# KiCad board 8851_HW-U1-VCU118_REV2-0_071417.kicad_pcb (continued)
## Routing (per net, layer and track width the routed paths; a pad name or vN(x,y) marks a point on that pad's centre or on a via; arc(x,y) is an arc through that point) (continued)
  BOTTOM w0.15: v3(204.11,150.93) 204.75,150.29 206.48,150.29
65N145: length 23.6
  TOP w0.138: 218.88,162.93 218.15,162.21 v3(218.15,161.9)
  03_SIG1 w0.17: v3(218.15,161.9) 218.15,160.06 218.51,159.7 218.51,154.93 217.46,153.88 213.18,153.88 212.43,153.13 212.4,153.09 212.4,152.61 211.95,152.16 211.56,152.16 211.51,152.11 211.07,151.67 211.07,151.43 210.44,150.8 210.34,150.8 v3(207.91,148.37)
  BOTTOM w0.15: 206.48,148.37 v3(207.91,148.37)
65N146: length 33.7
  TOP w0.15: v3(220.5,161.3) 220.05,161.75 220.05,162.33 220.65,162.93
  20_SIG7 w0.087: v3(220.5,161.3) 220.88,161.3 221.78,160.4 221.78,159.18 222.7,158.25 222.7,157.23 218.66,153.18 218.66,151.72 215.91,148.97 212.86,148.97 211.58,150.25 204.36,150.25 v3(204.03,149.92)
  BOTTOM w0.15: v3(204.03,149.92) 204.94,149.01 206.48,149.01
65N147: length 28.7
  TOP w0.138: 222.35,162.93 221.65,162.23 v3(221.65,161.28)
  20_SIG7 w0.087: v3(207.95,149.65) 211.41,149.65 212.63,148.42 216.14,148.42 219.33,151.62 219.33,152.68 223.35,156.7 223.35,158.57 222.45,159.48 222.45,160.48 v3(221.65,161.28)
  BOTTOM w0.15: v3(207.95,149.65) 206.48,149.65
65N152: length 2.4
  TOP w0.138: 217.25,164.4 v3(217.25,165.28)
  BOTTOM w0.15: 217.25,163.78 v3(217.25,165.28)
65N154: length 2.4
  TOP w0.138: 215.63,164.4 v3(215.63,165.28)
  BOTTOM w0.15: 215.63,163.78 v3(215.63,165.28)
65N158: length 2
  TOP w0.138: 211.88,164.4 v3(211.88,165.28)
  BOTTOM w0.15: 211.88,164.15 v3(211.88,165.28)
65N160: length 2
  BOTTOM w0.15: 200.74,145.17 199.66,145.17 199.43,144.94 R323.2
65N163: length 24.4
  TOP w0.138: v3(212.05,162.13) 211.88,162.31 211.88,162.92
  03_SIG1 w0.17: v3(204.11,147.09) 203.88,147.09 202.93,148.03 202.93,148.9 203.43,149.4 203.43,151.24 204.05,151.86 205.35,151.86 205.97,152.48 205.97,153.03 206.6,153.65 206.85,153.65 208.78,155.58 208.78,156.26 209.12,156.61 209.99,156.61 211.12,157.73 211.12,158.9 211.51,159.29 211.51,161.59 v3(212.05,162.13)
  BOTTOM w0.15: v3(204.11,147.09) 204.75,146.45 206.48,146.45
65N166: length 28.8
  TOP w0.15: v3(214.77,162.03) 214.77,162.65 215.04,162.92 215.63,162.92
  03_SIG1 w0.17: v3(214.77,162.03) 215.29,162.54 216.63,162.54 216.9,162.28 216.9,161.32 217.58,160.64 217.58,158.75 217.32,158.49 217.32,158.03 217.85,157.5 217.85,155.67 217.38,155.21 214.57,155.21 213.85,154.49 212.5,154.49 211.67,153.65 211.03,153.65 209.97,152.6 209.97,151.84 208.37,150.23 207.75,150.23 207.36,149.84 207.36,147.91 v3(207.87,147.4)
  BOTTOM w0.15: v3(207.87,147.4) 207.56,147.09 206.48,147.09
65N167: length 25.6
  TOP w0.15: 217.25,162.92 216.31,161.98 v3(216.25,161.98)
  03_SIG1 w0.17: v3(203.5,148.27) 207.29,152.06 207.64,152.06 208,152.41 208,152.88 210.63,155.51 210.63,156.21 210.95,156.53 214.01,156.53 215.09,157.61 215.09,158.26 216.25,159.43 v3(216.25,161.98)
  BOTTOM w0.15: 206.48,147.73 204.75,147.73 204.33,148.15 203.62,148.15 v3(203.5,148.27)
65N1694: length 2.1
  TOP w0.15: 222.13,160.45 v3(223.15,160.45)
  BOTTOM w0.15: v3(223.15,160.45) 222.9,160.2 222.13,160.2
65N1695: length 24.9
  TOP w0.138: 222.13,158.97 v3(222.13,158.08)
  20_SIG7 w0.087: v3(205.23,150.93) 205.37,150.79 211.81,150.79 213.08,149.51 215.69,149.51 216.78,150.61 216.78,153.16 217.49,153.87 218.27,153.87 222.13,157.73 v3(222.13,158.08)
  BOTTOM w0.15: 206.48,150.93 v3(205.23,150.93)
65N4344: length 2.3
  TOP w0.15: 204.37,146.18 204.87,146.18 v3(205.23,145.81)
  BOTTOM w0.15: 206.48,145.81 v3(205.23,145.81)
65N4702: length 1.9
  TOP w0.15: 213.7,162.9 v3(213.7,162.1)
  BOTTOM w0.15: v3(213.7,162.1) 213.75,162.15 213.75,163.17
65N4703: length 16.2
  TOP w0.138: 213.7,164.37 v3(213.7,165.34)
  05_SIG2 w0.17: v3(203.67,161.52) 204.63,162.48 205.92,162.48 207.27,163.83 212.19,163.83 v3(213.7,165.34)
  BOTTOM w0.15: 202.25,162.27 202.25,161.77 202.5,161.52 v3(203.67,161.52)
  BOTTOM w0.375: 200.09,163.21 200.21,163.21 200.84,163.84 v3(201.45,163.84)
65N4960: length 2
  TOP w0.15: 205.38,160.9 v3(205.38,161.78)
  BOTTOM w0.15: 205.38,160.65 v3(205.38,161.78)
65N4961: length 5.7
  TOP w0.15: v3(203.12,157.55) 203.75,158.18 204.12,158.18 205.38,159.43
  TOP w0.375: v3(200.97,158.78) 200.24,158.04 199.75,158.04
  BOTTOM w0.15: 201.96,157.55 v3(203.12,157.55)
67N1169: length 0.9
  TOP w0.15: J2.J24 v3(145.4,165.75)
67N1172: length 0.9
  TOP w0.15: J2.J25 v3(144.15,165.75)
67N1175: length 0.9
  TOP w0.15: J2.J27 v3(141.65,165.75)
67N1178: length 0.9
  TOP w0.15: J2.J28 v3(140.4,165.75)
67N1181: length 0.9
  TOP w0.15: J2.J30 v3(137.9,165.75)
67N1184: length 0.9
  TOP w0.15: J2.J31 v3(136.65,165.75)
67N1187: length 0.9
  TOP w0.15: J2.J33 v3(134.15,165.75)
67N1189: length 0.9
  TOP w0.15: J2.J34 v3(132.9,165.75)
67N1193: length 0.9
  TOP w0.15: J2.J36 v3(130.4,165.75)
67N1195: length 0.9
  TOP w0.15: J2.J37 v3(129.15,165.75)
67N1199: length 0.9
  TOP w0.15: J2.J39 v3(126.65,165.75)
67N1202: length 0.9
  TOP w0.15: J2.K25 v3(144.15,167)
67N1205: length 0.9
  TOP w0.15: J2.K26 v3(142.9,167)
67N1208: length 0.9
  TOP w0.15: J2.K28 v3(140.4,167)
67N1211: length 0.9
  TOP w0.15: J2.K29 v3(139.15,167)
67N1214: length 0.9
  TOP w0.15: J2.K31 v3(136.65,167)
67N1217: length 0.9
  TOP w0.15: J2.K32 v3(135.4,167)
67N1220: length 0.9
  TOP w0.15: J2.K34 v3(132.9,167)
67N1223: length 0.9
  TOP w0.15: J2.K35 v3(131.65,167)
67N1226: length 0.9
  TOP w0.15: J2.K37 v3(129.15,167)
67N1229: length 0.9
  TOP w0.15: J2.K38 v3(127.9,167)
67N1232: length 0.9
  TOP w0.15: J2.K40 v3(125.4,167)
67N1235: length 0.9
  TOP w0.15: J2.K1 v3(174.15,167)
67N1238: length 0.9
  TOP w0.15: J2.K4 v3(170.4,167)
67N1241: length 0.9
  TOP w0.15: J2.K5 v3(169.15,167)
67N1244: length 0.9
  TOP w0.15: J2.J2 v3(172.9,165.75)
67N1247: length 0.9
  TOP w0.15: J2.J3 v3(171.65,165.75)
67N1644: length 0.9
  TOP w0.15: v3(151.65,167) J2.K19
67N1646: length 0.9
  TOP w0.15: J2.K20 v3(150.4,167)
67N1648: length 0.9
  TOP w0.15: J2.K22 v3(147.9,167)
67N1650: length 0.9
  TOP w0.15: J2.K23 v3(146.65,167)
67N1656: length 0.9
  TOP w0.15: J2.K13 v3(159.15,167)
67N1658: length 0.9
  TOP w0.15: J2.K14 v3(157.9,167)
67N1660: length 0.9
  TOP w0.15: J2.K16 v3(155.4,167)
67N1662: length 0.9
  TOP w0.15: J2.K17 v3(154.15,167)
67N1668: length 0.9
  TOP w0.15: J2.K7 v3(166.65,167)
67N1670: length 0.9
  TOP w0.15: J2.K8 v3(165.4,167)
67N1672: length 0.9
  TOP w0.15: J2.K10 v3(162.9,167)
67N1674: length 0.9
  TOP w0.15: J2.K11 v3(161.65,167)
67N1680: length 0.9
  TOP w0.15: J2.J18 v3(152.9,165.75)
67N1682: length 0.9
  TOP w0.15: v3(151.65,165.75) J2.J19
67N1684: length 0.9
  TOP w0.15: J2.J21 v3(149.15,165.75)
67N1686: length 0.9
  TOP w0.15: J2.J22 v3(147.9,165.75)
67N1692: length 0.9
  TOP w0.15: J2.J12 v3(160.4,165.75)
67N1694: length 0.9
  TOP w0.15: J2.J13 v3(159.15,165.75)
67N1696: length 0.9
  TOP w0.15: J2.J15 v3(156.65,165.75)
67N1698: length 0.9
  TOP w0.15: J2.J16 v3(155.4,165.75)
67N1704: length 0.9
  TOP w0.15: J2.J6 v3(167.9,165.75)
67N1706: length 0.9
  TOP w0.15: J2.J7 v3(166.65,165.75)
67N1708: length 0.9
  TOP w0.15: J2.J9 v3(164.15,165.75)
67N1710: length 0.9
  TOP w0.15: J2.J10 v3(162.9,165.75)
68N293: length 12.9
  BOTTOM w0.375: v3(178.62,160.94) 179.2,160.94 179.57,160.56 C1108.1 179.57,158.83 179.95,158.46 v3(180.45,158.46) ; R892.1 v3(177.05,166.86) ; 181.44,159.76 181.44,161.59 181.4,161.63 J2.ST2 181.4,164.39 178.92,166.86
68N294: length 14.1
  05_SIG2 w0.375: J2.ST1 121.28,163.98 ; J2.ST1 120.78,165.35 ; J2.ST1 118.02,165.35 ; J2.ST1 118.02,162.6 ; J2.ST1 119.4,162.1 ; J2.ST1 119.4,165.85 ; J2.ST1 120.78,162.6
  BOTTOM w0.375: R891.1 v3(117.6,167.78)
70N4739: length 2.5
  BOTTOM w0.15: C1163.2 R898.2 R897.2
70N5660: length 0.6
  TOP w0.15: 164.53,35.44 v1(164.92,35.05)
71N1040: length 12.3
  TOP w0.15: U141.E7 v2(91.76,117.44)
  BOTTOM w0.15: v2(91.76,117.44) 92.25,117.93 95.9,117.93 96.19,117.65 96.19,117.24 96.48,116.95 96.88,116.95 97.17,116.66 97.17,116.26 97.46,115.97 97.87,115.97 98.16,116.26 98.16,116.66 98.45,116.95 98.85,116.95 99.15,117.25 99.15,117.65 99.43,117.93 99.92,117.93 100.17,117.68 R1148.1
72N3763: length 2.3
  BOTTOM w0.15: 92.77,116.07 92.77,115.66 93.02,115.41 93.02,115.04 92.57,114.6 92.03,114.6
72N4110: length 9.6
  TOP w0.15: 76.6,114.83 v2(77.09,115.32)
  BOTTOM w0.15: v2(77.09,115.32) 76.6,114.83 75.9,114.83 75.61,115.12 75.61,122.16 R216.1
74N668: length 2
  TOP w0.15: 211.63,160.89 v3(212.59,160.89)
  BOTTOM w0.15: v3(212.59,160.89) 212.35,160.65 211.63,160.65
74N670: length 8.3
  TOP w0.138: 211.63,159.42 v3(211.63,158.53) ; Q41.3 v3(207,155.04)
  07_SIG3 w0.17: v3(207,155.04) 208.15,155.04 208.71,155.6 208.71,156.27 209.04,156.6 210.08,156.6 211.22,157.74 211.22,158.12 v3(211.63,158.53)
77N2783: length 2.7
  BOTTOM w0.25: 46.85,120.13 48.11,120.13 49.11,121.12
77N2784: length 8.6
  TOP w0.25: v3(43.05,114.24) 43.17,114.36 R1021.2 43.48,115.33 v3(43.48,116.75)
  BOTTOM w0.25: 43.74,118 43.74,117.01 v3(43.48,116.75)
  BOTTOM w0.375: v3(43.05,114.24) 43.05,113.62 42.77,113.34 40.11,113.34 39.5,113.95 39.5,114.02
77N2785: length 24.8
  20_SIG7 w0.375: v3(47.55,114.27) 47.55,114.58 47.98,115.01 47.98,118.19 45.19,120.98 40.51,120.98 39.55,121.94 38.78,121.94 v3(37.96,122.76)
  BOTTOM w0.15: v3(47.55,114.27) 47.88,113.95 47.88,113.67 48.69,112.86 48.69,112.62 48.5,112.43
  BOTTOM w0.25: v3(37.96,122.76) 38.94,121.78 40.69,121.78 41.36,121.11 42.1,121.11 ; 43.3,124.19 43.74,123.75 U150.30
77N2787: length 1.4
  TOP w0.375: 51.8,121.55 51.82,121.58 51.82,122.9
77N2788: length 3.3
  BOTTOM w0.25: 40.3,124.19 41.3,124.19 41.87,123.62 42.23,123.62 42.75,123.09 42.75,122.75
77N2789: length 1.9
  BOTTOM w0.25: 42.3,124.19 42.86,123.63 42.92,123.63 43.25,123.3 43.25,122.75
77N2796: length 2.6
  BOTTOM w0.25: 45.71,118 45.71,117.49 46.29,116.9 46.29,115.65
77N2797: length 2.3
  BOTTOM w0.25: 46.85,119.63 48.62,119.63 R1076.1
77N2798: length 3.1
  BOTTOM w0.25: 46.2,118 47.23,118 47.98,117.25 C1325.1
77N2799: length 2.2
  BOTTOM w0.25: R1022.1 48.38,118.87 48.11,119.14 46.85,119.14
77N2800: length 3
  BOTTOM w0.25: 44.23,118 44.23,116.65 43.96,116.38 L67.2
77N2801: length 3.4
  BOTTOM w0.25: L67.1 42.2,115.33 42.2,116.35 43.25,117.39 43.25,118
77N2803: length 6.9
  BOTTOM w0.25: 42.1,118.65 42.1,118 42.1,118 42.75,118
  BOTTOM w0.375: C1336.1 v3(37.95,117.42) ; 39.51,115.75 40.25,115.75 41.3,116.8 41.63,116.8 42.1,117.27 42.1,118
77N2808: length 4.9
  TOP w0.138: v3(49.11,122.92) R1052.1
  BOTTOM w0.138: R1052.1 v3(49.11,122.92)
  BOTTOM w0.15: R1052.1 48.69,122.12 48.53,121.97 48.53,121.18 47.97,120.62 46.85,120.62
77N4651: length 10.7
  TOP w0.15: L66.2 49.39,111.06 49.09,110.76 49.09,107.96 v3(49.38,107.67)
  BOTTOM w0.15: v3(49.38,107.67) 49.25,107.8 49.25,111.86
  BOTTOM w0.375: R1074.1 49.56,113.22 v3(49.85,112.93)
  vias: v3(53.92,110.55) v3(53.92,109.25) v3(54.08,117) v3(54.08,115.88) v3(54.1,115)
77N4678: length 21.7
  20_SIG7 w0.375: v3(48.43,114.4) 48.73,114.69 48.73,118.53 45.37,121.88 40.89,121.88 40.01,122.76 v3(39,122.76)
  BOTTOM w0.15: 49.25,112.43 49.09,112.6 49.09,113.03 48.27,113.84 48.27,114.24 v3(48.43,114.4)
  BOTTOM w0.25: 42.1,121.6 41.6,121.6 40.44,122.76 40.05,122.76
  BOTTOM w0.375: 40.05,122.76 v3(39,122.76)
77N6252: length 0.9
  BOTTOM w0.15: 48.5,110.92 48.5,111.86
78N6513: length 21.5
  TOP w0.15: 14.08,134.03 v6(13.68,134.42)
  TOP w0.375: U111.K6 v6(13.68,130.48)
  16_SIG5 w0.087: v6(13.68,134.42) 14.08,134.03 14.08,132.45 14.44,132.09 15.19,132.09 16.41,130.88 21.82,130.88 22.02,130.68 22.02,129.62 22.48,129.18 23.23,129.18 25.7,131.65 26.35,131.65 v3(27.5,132.8)
  BOTTOM w0.15: 27.59,131.45 27.5,131.54 v3(27.5,132.8)
78N6517: length 6.3
  TOP w0.15: 17.23,130.09 v6(17.62,129.69) ; 15.65,126.94 v6(15.26,126.54)
  TOP w0.375: U111.F11 v6(18.41,134.42)
  18_SIG6 w0.087: v6(15.26,126.54) 15.98,127.27 15.98,128.98 16.3,129.3 17.23,129.3 v6(17.62,129.69)
78N6524: length 0.6
  TOP w0.15: 17.23,129.3 v6(17.62,128.91)
78N6526: length 0.6
  TOP w0.375: U111.E13 v6(19.98,135.21)
78N6530: length 0.6
  TOP w0.15: 16.44,126.94 v6(16.83,126.54)
78N7461: length 1.1
  TOP w0.15: 10.93,130.88 v6(10.53,130.48) ; v6(17.62,127.33) U111.P10
78N7462: length 0.6
  TOP w0.15: 10.14,133.24 v6(9.75,133.63)
78N7464: length 0.6
  TOP w0.15: 13.29,129.3 v6(12.9,128.91)
78N7467: length 0.6
  TOP w0.15: 15.65,127.73 v6(15.26,127.33)
78N7469: length 0.6
  TOP w0.375: U111.G11 v6(18.41,133.63)
78N7471: length 0.6
  TOP w0.15: 14.86,126.94 v6(14.47,126.54)
78N7472: length 0.6
  TOP w0.15: 14.08,126.94 v6(13.68,126.54)
78N7473: length 0.6
  TOP w0.15: 14.86,128.51 v6(14.47,128.12)
78N7475: length 0.6
  TOP w0.15: 15.65,128.51 v6(15.26,128.12)
78N7477: length 0.6
  TOP w0.15: 13.29,127.73 v6(12.9,127.33)
78N7479: length 0.6
  TOP w0.15: 13.29,128.51 v6(12.9,128.12)
78N7480: length 0.6
  TOP w0.15: 10.93,127.73 v6(10.53,127.33)
78N7483: length 0.6
  TOP w0.15: 10.93,126.94 v6(10.53,126.54)
78N7502: length 0.6
  TOP w0.15: 11.72,129.3 v6(11.32,128.91)
78N7503: length 1.1
  TOP w0.15: U111.N11 v6(18.41,128.12) ; 11.72,130.09 v6(11.32,129.69)
78N7504: length 0.6
  TOP w0.15: 10.14,126.94 v6(9.75,126.54)
78N7505: length 0.6
  TOP w0.15: 10.93,128.51 v6(10.53,128.12)
78N7506: length 0.6
  TOP w0.15: 14.08,128.51 v6(13.68,128.12)
78N7507: length 0.6
  TOP w0.15: 11.72,128.51 v6(11.32,128.12)
78N8088: length 5.2
  BOTTOM w0.15: 24.51,114.05 24.07,114.49 24.07,117.23 23.96,117.34 23.6,117.34 23.43,117.17 23.43,116.13
78N8265: length 1.1
  TOP w0.15: 15.65,130.09 v6(15.26,129.69)
  TOP w0.375: U111.H11 v6(18.41,132.84)
79N2940: length 4.2
  TOP w0.15: 20.38,130.09 v6(20.77,129.69) ; U111.B11 v6(18.41,137.57)
  BOTTOM w0.111: v6(20.77,129.69) 21.15,129.31 22.92,129.31 23.48,128.76
79N2956: length 5.3
  TOP w0.15: 20.38,134.81 v6(20.77,135.21) ; U111.B5 v6(12.9,137.57)
  05_SIG2 w0.111: v3(23.52,136) 22.7,136 22.3,135.6 21.16,135.6 v6(20.77,135.21)
  BOTTOM w0.15: 22.55,136.41 22.96,136 v3(23.52,136)
79N2958: length 11.8
  TOP w0.15: U111.B6 v6(13.68,137.57) ; R1197.2 v3(25.04,140.79) ; 20.38,134.03 v6(20.77,134.42)
  05_SIG2 w0.111: 21.88,136.39 20.56,136.39 20.38,136.21 20.38,134.81 v6(20.77,134.42)
  05_SIG2 w0.17: 21.88,136.39 22.26,136.39 23.1,137.23 23.1,139.58 23.5,139.98 24.23,139.98 v3(25.04,140.79)
79N2959: length 4
  TOP w0.15: 18.8,131.66 v6(19.2,131.27)
  TOP w0.375: 16.44,135.6 v6(16.83,135.99)
  BOTTOM w0.15: 20.68,132 19.93,132 v6(19.2,131.27)
  BOTTOM w0.375: R1196.2 21.92,132 v6(22.5,131.43)
79N3567: length 0.6
  TOP w0.15: U111.F4 v6(12.11,134.42)
79N3568: length 0.6
  TOP w0.15: U111.J3 v6(11.32,131.27)
79N3569: length 0.6
  TOP w0.15: 15.65,136.39 v6(15.26,136.78)
79N3570: length 0.6
  TOP w0.15: 10.14,134.81 v6(9.75,135.21)
79N3585: length 0.6
  TOP w0.15: U111.P4 v6(12.11,127.33)
79N3586: length 0.6
  TOP w0.15: 10.93,134.03 v6(10.53,134.42)
79N3597: length 0.6
  TOP w0.15: U111.F3 v6(11.32,134.42)
79N3598: length 1.1
  TOP w0.15: 16.44,137.17 v6(16.83,137.57)
  TOP w0.375: U111.G2 v6(10.53,133.63)
79N3600: length 0.6
  TOP w0.375: U111.E3 v6(11.32,135.21)
79N3601: length 0.6
  TOP w0.15: 11.72,135.6 v6(11.32,135.99)
79N3602: length 0.6
  TOP w0.375: 10.14,135.6 v6(9.75,135.99)
79N3603: length 0.6
  TOP w0.15: U111.E2 v6(10.53,135.21)
79N3605: length 1.1
  TOP w0.15: U111.C3 v6(11.32,136.78) ; 19.59,136.39 v6(19.98,136.78)
79N3606: length 1.1
  TOP w0.15: U111.A3 v6(11.32,138.36) ; 21.16,136.39 v6(21.56,136.78)
79N3607: length 1.1
  TOP w0.15: 20.38,135.6 v6(20.77,135.99) ; U111.B4 v6(12.11,137.57)
79N3608: length 1.1
  TOP w0.15: U111.A4 v6(12.11,138.36) ; 21.16,135.6 v6(21.56,135.99)
79N3609: length 1.1
  TOP w0.15: U111.C2 v6(10.53,136.78) ; 19.59,137.17 v6(19.98,137.57)
79N3610: length 1.1
  TOP w0.15: 20.38,137.17 v6(20.77,137.57)
  TOP w0.375: U111.B2 v6(10.53,137.57)
79N3611: length 1.1
  TOP w0.15: 20.38,137.96 v6(20.77,138.36) ; U111.B1 v6(9.75,137.57)
79N3612: length 1.1
  TOP w0.15: 19.59,135.6 v6(19.98,135.99)
  TOP w0.375: U111.C4 v6(12.11,136.78)
79N3613: length 1.1
  TOP w0.15: 19.59,137.96 v6(19.98,138.36) ; U111.C1 v6(9.75,136.78)
79N3614: length 0.6
  TOP w0.15: 12.5,135.6 v6(12.11,135.99)
79N3615: length 1.1
  TOP w0.15: U111.A2 v6(10.53,138.36) ; 21.16,137.17 v6(21.56,137.57)
79N3617: length 0.6
  TOP w0.15: U111.M4 v6(12.11,128.91)
81N1822: length 1.8
  TOP w0.15: 2.3,137.27 Q34.3
81N1903: length 1.5
  TOP w0.15: R786.2 5.62,138.31 5.8,138.12 DS45.2
81N1904: length 1.9
  TOP w0.15: Q35.3 4.33,136.43 DS45.1
81N3811: length 5.8
  TOP w0.15: v3(3.4,129.53) 3.15,129.78 3.15,131.88 2.96,132.07 2.47,132.07
  BOTTOM w0.15: 5.78,129.03 3.89,129.03 v3(3.4,129.53)
81N3812: length 1.9
  TOP w0.138: 2.47,130.59 Q3.3
81N3985: length 4.4
  TOP w0.15: v3(6,133.79) 6,133.29 5.89,133.18 5.89,132 4.51,132
  BOTTOM w0.15: v3(6,133.79) 5.85,133.64 5.85,132.64
81N3988: length 2.1
  TOP w0.138: 5.89,128.55 5.89,126.41
250MHZ_CLK1_N: length 135
  TOP w0.102: 81.12,52.06 83.79,52.06 v3(84.14,51.71) ; v2(96.69,52.99) 97.18,53.49
  18_SIG6 w0.075: v2(96.69,52.99) 97.08,52.6 97.08,47.86 96.9,47.68 94.45,47.68 94.13,47.36 94.13,43.57 93.88,43.31 93.82,43.31 93.8,43.29
  18_SIG6 w0.087: 93.8,43.29 92.91,42.41 92.91,36.76 86.36,30.21 81.79,30.21 80.71,31.29 62.09,31.29 59.49,33.88 59.49,44.37 58.65,45.21 58.65,51.05 59.92,52.32 59.92,60.05 54.86,65.1 44.99,65.1 42.75,67.34 42.75,68.34 41.71,69.38 39.86,69.38 37.34,71.9 36.35,71.9 36.01,71.56 36.01,71.07 35.77,70.84 v3(35.65,70.84)
  BOTTOM w0.102: v3(35.65,70.84) 36.05,71.25 36.05,71.39 35.49,71.96 35.49,72.67 ; v2(96.69,52.99) 96.69,52.63 96.59,52.53 93.56,52.53 93.19,52.89 91.44,52.89 90.99,52.44 84.22,52.44 83.94,52.16 83.94,51.91 v3(84.14,51.71)
250MHZ_CLK1_P: length 135
  TOP w0.102: v2(97.67,52.99) 98.17,53.49 ; 81.12,53.04 84.09,53.04 84.1,53.05 84.11,53.05 84.12,53.04 v3(84.12,53.03)
  18_SIG6 w0.075: v2(97.67,52.99) 97.67,53 97.35,53 97.28,52.93 97.28,47.78 96.98,47.49 94.53,47.49 94.32,47.28 94.32,43.49 94.02,43.18 94.02,43.12 94,43.1
  18_SIG6 w0.087: v3(36.56,70.84) 36.28,71.12 36.28,71.44 36.46,71.62 37.23,71.62 39.75,69.1 41.6,69.1 42.48,68.22 42.48,67.22 44.88,64.83 54.75,64.83 59.64,59.93 59.64,52.43 58.38,51.16 58.38,45.1 59.22,44.26 59.22,33.77 61.97,31.02 80.59,31.02 81.68,29.93 86.48,29.93 93.19,36.64 93.19,42.29 94,43.1
  BOTTOM w0.102: v3(36.56,70.84) 36.5,70.84 36.28,71.06 36.28,71.51 36.74,71.97 36.74,72.67 ; v3(84.12,53.03) 84.12,52.95 84.4,52.66 90.9,52.66 91.35,53.11 93.21,53.11 93.55,53.45 97.22,53.45 v2(97.67,52.99)
250MHZ_CLK2_N: length 207.9
  TOP w0.102: v2(132.12,68.74) 131.63,68.25
  14_SIG4 w0.075: v2(132.12,68.74) 131.73,68.35 124.97,68.35 124.64,68.01 124.64,65.47 123.84,64.68 123.31,64.68 122.67,64.03 122.67,62.67 122.43,62.43 121.99,62.43 121.69,62.13 121.69,61.7 121.43,61.44 120.97,61.44 120.7,61.18 120.7,51.84 120.47,51.61 119.02,51.61 118.73,51.31 118.73,50.87 118.5,50.65 118.08,50.65 117.77,50.34 117.77,45.97 117.49,45.69 117.12,45.69 116.58,45.15 116.58,43.8 116.21,43.42 116.21,41.19 116.17,41.15 116.17,41.14
  14_SIG4 w0.087: v3(33.1,70.46) 33.38,70.73 33.38,71.34 33.63,71.6 34.46,71.6 34.95,71.11 34.95,67.12 36.4,65.67 36.4,57.65 43.17,50.88 43.17,43.27 46.48,39.96 46.48,38.04 51.04,33.47 56.14,33.47 58.49,31.13 58.49,30.65 57.85,30.02 57.85,28.4 59.32,26.93 59.32,25.39 58.91,24.98 58.91,20.64 60.83,18.73 65.16,18.73 65.39,18.5 71.97,18.5 72.1,18.62 76.97,18.62 77.38,18.23 78.34,18.23 78.91,18.8 81.65,18.8 82.78,17.68 86.36,17.68 87.34,18.65 101.74,18.65 103.46,20.37 108.71,20.37 111.17,22.83 111.17,29.18 113.11,31.11 113.11,35.33 116.17,38.39 116.17,41.14
  BOTTOM w0.102: v3(33.1,70.46) 33.4,70.75 33.4,71.5 32.99,71.91 32.99,72.67 ; v2(132.12,68.74) 132.58,69.2 139.21,69.2 139.57,68.84 146.61,68.84 148.21,67.24 149.07,67.24 149.5,67.67 151.62,67.67
250MHZ_CLK2_P: length 208
  TOP w0.102: v2(132.12,67.76) 131.63,67.27
  14_SIG4 w0.075: 116.44,41.14 116.44,41.15 116.4,41.19 116.4,43.34 116.78,43.72 116.78,45.06 117.2,45.49 117.57,45.49 117.97,45.89 117.97,50.26 118.16,50.45 118.58,50.45 118.92,50.79 118.92,51.23 119.1,51.41 120.55,51.41 120.9,51.76 120.9,61.1 121.05,61.25 121.51,61.25 121.88,61.62 121.88,62.05 122.07,62.24 122.51,62.24 122.86,62.59 122.86,63.95 123.39,64.48 123.92,64.48 124.83,65.39 124.83,67.93 125.05,68.15 132.05,68.15 132.12,68.08 v2(132.12,67.76)
  14_SIG4 w0.087: 116.44,41.14 116.44,38.28 113.38,35.22 113.38,31 111.45,29.06 111.45,22.72 108.82,20.09 103.57,20.09 101.85,18.37 87.45,18.37 86.47,17.4 82.66,17.4 81.54,18.52 79.03,18.52 78.45,17.95 77.26,17.95 76.86,18.35 72.21,18.35 72.09,18.23 65.27,18.23 65.05,18.45 60.71,18.45 58.64,20.53 58.64,25.09 59.04,25.5 59.04,26.82 57.58,28.28 57.58,30.14 58.21,30.77 58.21,31.01 56.02,33.2 50.93,33.2 46.2,37.92 46.2,39.85 42.89,43.15 42.89,50.77 36.12,57.54 36.12,65.56 34.67,67.01 34.67,71 34.35,71.33 33.74,71.33 33.65,71.23 33.65,70.83 v3(34.02,70.46)
  BOTTOM w0.102: v3(34.02,70.46) 33.62,70.85 33.62,71.35 34.24,71.96 34.24,72.67 ; v2(132.12,67.76) 132.12,67.9 132.48,68.25 139.22,68.25 139.58,68.61 146.51,68.61 148.11,67.01 149.17,67.01 149.5,66.68 151.62,66.68
5328N47: length 4.3
  TOP w0.15: 82.76,20.57 82.69,20.5 82.69,20.03 82.54,19.88 81.45,19.88 81.15,20.18 79.12,20.18
5329N4244: length 0.7
  TOP w0.15: 97.18,65.3 v2(96.69,65.79)
5329N4246: length 0.7
  TOP w0.15: v2(99.64,61.85) 100.13,62.35
5329N4248: length 0.7
  TOP w0.15: 103.09,64.31 v2(102.6,63.82)
5329N4257: length 0.7
  TOP w0.15: v2(101.61,60.87) 102.1,61.36
5329N4282: length 0.7
  TOP w0.15: 108.99,60.38 v2(108.5,59.88)
5329N4285: length 0.7
  TOP w0.15: v2(99.64,57.92) 100.13,58.41
5329N4288: length 0.7
  TOP w0.15: 108.99,61.36 v2(108.5,60.87)
5330N3435: length 0.7
  TOP w0.15: v2(108.5,66.77) 108.99,66.28
5330N3438: length 0.7
  TOP w0.15: v2(101.61,75.63) 102.1,75.14
5330N3483: length 0.7
  TOP w0.15: 97.18,77.11 v2(96.69,77.6)
5330N3484: length 0.7
  TOP w0.15: v2(95.71,79.57) 96.2,79.08
5330N3486: length 0.7
  TOP w0.15: v2(97.67,77.6) 98.17,77.11
5330N3493: length 0.7
  TOP w0.15: v2(93.74,66.77) 94.23,66.28
5330N3494: length 0.7
  TOP w0.15: 101.12,66.28 v2(100.63,66.77)
5330N3495: length 0.7
  TOP w0.15: 102.1,66.28 v2(101.61,66.77)
5336N2098:
  vias: v3(38.52,86.47) v3(38.52,85.08) v3(39.35,86.45) v3(39.35,85.05)
5336N2099: length 1.3
  TOP w0.375: v3(46.83,85.1) 46.49,84.77 46.49,83.9
  vias: v3(51.7,86.47) v3(51.7,85) v3(51.7,83.95)
5337N769: length 5.8
  TOP w0.25: v3(202.31,64.92) 202.43,64.81 203.7,64.81 204.01,64.5 v3(204.82,64.5)
  BOTTOM w0.25: v3(204.82,64.5) 205.08,64.24 206.07,64.24
  BOTTOM w0.375: 200.72,65.39 201.19,64.92 v3(202.31,64.92)
5337N770: length 1.9
  BOTTOM w0.25: R159.1 212.17,63.67 212.1,63.74 210.82,63.74
5337N771: length 1.4
  TOP w0.15: R139.2 C185.1
5337N772: length 3.8
  BOTTOM w0.25: R136.1 212.72,66.67 212.07,66.67 211.69,66.3 211.69,65.75 211.16,65.22 210.82,65.22
5337N773: length 2.3
  BOTTOM w0.25: 210.82,64.73 211.42,64.73 212.37,65.67 R137.1
5337N774: length 2.1
  BOTTOM w0.25: R74.1 212.12,64.67 211.68,64.24 210.82,64.24
5337N779: length 2.6
  BOTTOM w0.25: 206.07,62.27 205.56,62.27 204.97,61.68 203.72,61.68
5337N781: length 3.1
  BOTTOM w0.25: 205.32,58.99 205.32,60 206.07,60.75 206.07,61.78
5337N783: length 3
  BOTTOM w0.25: 206.07,63.74 204.81,63.74 204.54,64.01 203.19,64.01
5337N784: length 3.4
  BOTTOM w0.25: 203.19,65.98 203.4,65.77 204.42,65.77 205.46,64.73 206.07,64.73
5337N785: length 3.1
  BOTTOM w0.25: C145.1 212.14,62.12 211.51,62.76 210.82,62.76
5337N786: length 6.3
  BOTTOM w0.25: 206.07,65.22 206.07,65.87 206.07,65.88 206.72,65.88
  BOTTOM w0.375: 203.82,68.47 203.82,67.72 204.87,66.67 204.87,66.35 205.34,65.87 206.07,65.87 ; 203.82,70.03 202.9,70.03 v3(202.82,69.95)
5337N797: length 22
  05_SIG2 w0.17: v3(202.34,58.42) 202.34,58.76 203.5,59.92 204.89,59.92 206,61.04 206,64.78 206.32,65.1 207.63,66.41 208.46,66.41 210.8,68.75 211.2,68.75 v3(211.62,69.17)
  BOTTOM w0.15: 201.63,58.3 202.22,58.3 v3(202.34,58.42)
  BOTTOM w0.25: v3(211.62,69.17) 210.22,69.17 209.85,68.8 209.85,67.92 209.85,67.28 209.18,66.61 209.18,65.88
5337N798: length 29.9
  TOP w0.15: v3(196.25,57.55) 196.5,57.8 197.88,57.8 198.09,57.58 198.09,55.41
  05_SIG2 w0.17: v3(211.84,67.92) 211.56,68.21 211.03,68.21 208.69,65.86 207.85,65.86 206.54,64.56 206.54,60.81 205.11,59.38 203.73,59.38 202.89,58.54 202.89,57.97 v3(202.47,57.55)
  BOTTOM w0.15: v3(202.47,57.55) 202.34,57.67 201.63,57.67 ; Z2.1 196.37,57.67 v3(196.25,57.55)
  BOTTOM w0.25: 209.67,65.88 209.67,66.36 210.83,67.52 210.83,67.92 v3(211.84,67.92)
5337N2109: length 7.9
  TOP w0.15: 198.09,60.43 198.09,58.39 197.88,58.17 196.5,58.17 v3(196.26,58.41)
  BOTTOM w0.15: v3(196.26,58.41) 196.38,58.3 R80.1 ; 201.05,58.3 199.87,58.3
5339N66: length 0.9
  TOP w0.15: J22.L33 v3(65.25,168.25)
5339N68: length 0.9
  TOP w0.15: J22.L32 v3(66.5,168.25)
5339N70: length 0.9
  TOP w0.15: J22.L1 v3(105.25,168.25)
5340N31: length 8.3
  TOP w0.3: v3(209.21,111.42) 209.46,111.66 209.51,111.66 209.88,112.03 209.88,112.57
  TOP w0.375: 206.83,108.13 v3(205.83,108.13)
  BOTTOM w0.15: v3(205.83,108.13) 207.73,108.13 209.21,109.6 R1208.2 v3(209.21,111.42)
  vias: v2(211.21,118.25)
